# Allegro board 6089-119-RevA_41.brd (continued)
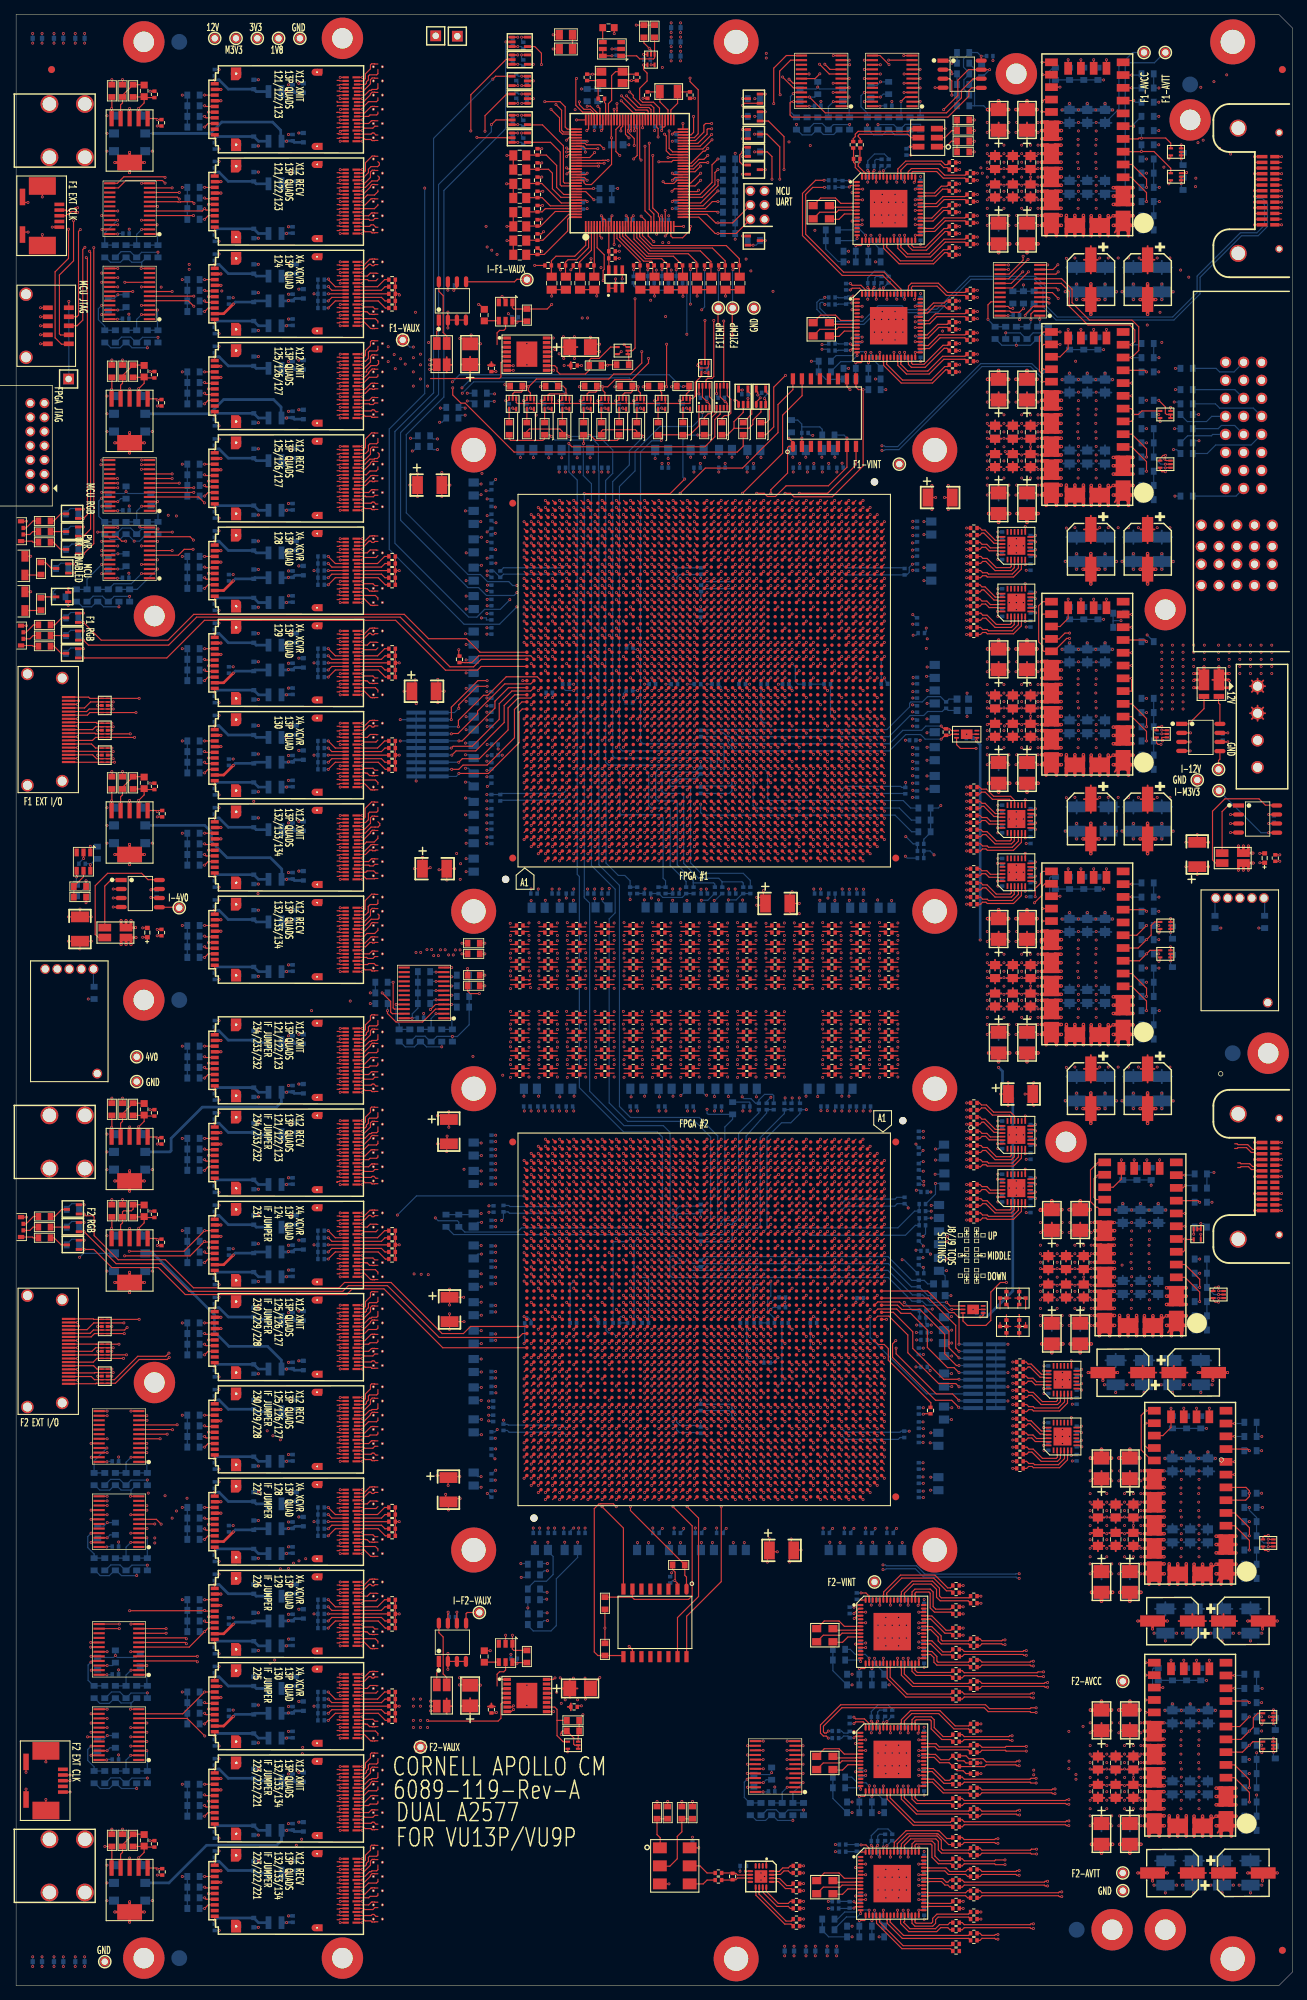
[diagram p0: board, top side]
## Footprints (pads in the part's own frame, mm; a bottom-side part is the same pattern mirrored in y, then rotated)
ATCA_COVER_BLOCK
  round 5.842 hole 2.896: 1(2.5,0)
  round 2.235 smd: 2(-2.5,0)
CAP_JUMPER_DP3T
  rect 0.508x0.61 smd: 1(0,0.9) 2(-0.9,0.9) 3(0,1.8) 4(0.9,0.9) 5(0,-0.9) 6(-0.9,-0.9) 7(0,-1.8) 8(0.9,-0.9)
CAP_PANASONIC_C6
  rect 3.505x1.6 smd: 1(-2.8,0) 2(2.8,0)
CAPC_EIA0402
  rect 0.508x0.61 smd: 1(-0.45,0) 2(0.45,0)
CAPC_EIA0603
  rect 0.965x1.016 smd: 1(-0.813,0) 2(0.813,0)
CAPC_EIA0805
  rect 1.143x1.448 smd: 1(-0.914,0) 2(0.914,0)
CAPC_EIA1210
  rect 1.524x2.54 smd: 1(-1.714,0) 2(1.714,0)
CAPTANT_0603_P1
  rect 0.61x0.7 smd: 1(-0.66,0) 2(0.66,0)
CAPTANT_3528_P1
  rect 1.829x2.235 smd: 1(-1.46,0) 2(1.46,0)
CON_2X7_2MM_RA_XILINX
  round 1.397 hole 0.889: 1(1,-6) 2(-1,-6) 3(1,-4) 4(-1,-4) 5(1,-2) 6(-1,-2) 7(1,0) 8(-1,0) 9(1,2) 10(-1,2) 11(1,4) 12(-1,4) 13(1,6) 14(-1,6)
CONN_10PIN_FSH
  round 1.905 hole 1.397: (0,4.445) (0,-4.445)
  rect 1.397x0.66 smd: 1(3.073,2.54) 2(6.035,2.54) 3(3.073,1.27) 4(6.035,1.27) 5(3.073,0) 6(6.035,0) 7(3.073,-1.27) 8(6.035,-1.27) 9(3.073,-2.54) 10(6.035,-2.54)
CONN_FTM_20
  rect 2.755x0.56 smd: 1(-1.608,4.5) 2(1.608,4.5) 3(-1.608,3.5) 4(1.608,3.5) 5(-1.608,2.5) 6(1.608,2.5) 7(-1.608,1.5) 8(1.608,1.5) 9(-1.608,0.5) 10(1.608,0.5) 11(-1.608,-0.5) 12(1.608,-0.5) 13(-1.608,-1.5) 14(1.608,-1.5) 15(-1.608,-2.5) 16(1.608,-2.5) 17(-1.608,-3.5) 18(1.608,-3.5) 19(-1.608,-4.5) 20(1.608,-4.5)
CONN_HDMI19_SS_53000_001
  rect 1.905x0.305 smd: 1(-0.902,4.572) 2(-0.902,4.064) 3(-0.902,3.556) 4(-0.902,3.048) 5(-0.902,2.54) 6(-0.902,2.032) 7(-0.902,1.524) 8(-0.902,1.016) 9(-0.902,0.508) 10(-0.902,0) 11(-0.902,-0.508) 12(-0.902,-1.016) 13(-0.902,-1.524) 14(-0.902,-2.032) 15(-0.902,-2.54) 16(-0.902,-3.048) 17(-0.902,-3.556) 18(-0.902,-4.064) 19(-0.902,-4.572)
  round 1.778 hole 1.27: 20(4.902,7.849) 21(0,7.264) 22(0,-7.264) 23(4.902,-7.849)
CONN_SAMTEC_UEC5_UCC8
  custom 1x1.57 hole 0.762: (-5.225,14.435) (5.225,14.435)
  round 0.001 hole 0.89 unplated: (-4.725,16.11) (-4.725,1.56) (4.725,16.51) (4.725,1.56)
  rect 0.5x1.14 smd: 1(-3.6,0) 2(-2.8,0) 3(-2,0) 4(-1.2,0) 5(-0.4,0) 6(0.4,0) 7(1.2,0) 8(2,0) 9(2.8,0) 10(3.6,0)
  rect 0.305x1.092 smd: A1(-4.5,19.96) A4(-3,19.96) A7(-1.5,19.96) A10(0,19.96) A13(1.5,19.96) A16(3,19.96) A19(4.5,19.96)
  rect 0.305x0.889 smd: A2(-4,20.06) A3(-3.5,20.06) A5(-2.5,20.06) A6(-2,20.06) A8(-1,20.06) A9(-0.5,20.06) A11(0.5,20.06) A12(1,20.06) A14(2,20.06) A15(2.5,20.06) A17(3.5,20.06) A18(4,20.06) B1(-4.5,18.46) B2(-4,18.46) B3(-3.5,18.46) B4(-3,18.46) B5(-2.5,18.46) B6(-2,18.46) B7(-1.5,18.46) B8(-1,18.46) B9(-0.5,18.46) B10(0,18.46) B11(0.5,18.46) B12(1,18.46) B13(1.5,18.46) B14(2,18.46) B15(2.5,18.46) B16(3,18.46) B17(3.5,18.46) B18(4,18.46) B19(4.5,18.46)
  custom 1.82x1.47 hole 1.168: G1(-5,3.01)
  custom 1.81x1.42 hole 1.168: G2(5,3.01)
CONN_USB_MINI_B_UX60SC_MB_5ST
  rect 1.397x0.508 smd: 1(-6.1,-1.6) 2(-6.1,-0.8) 3(-6.1,0) 4(-6.1,0.8) 5(-6.1,1.6)
  rect 3.81x2.489 smd: 6(-3.7,-4.2) 7(-3.7,4.2)
  rect 0.787x2.337 smd: 8(-0.9,-2.65) 9(-0.9,2.65)
CRYSTAL_CX3225SB
  rect 1.295x1.041 smd: 1(-1.15,-0.93) 2(1.15,-0.93) 3(1.15,0.93) 4(-1.15,0.93)
CRYSTAL_ECS_3P2X1P5
  rect 1.092x1.905 smd: 1(-1.25,0) 2(1.25,0)
CRYSTAL_ECS_4P0X2P5
  rect 1.397x1.143 smd: 1(-1.5,-0.8) 2(1.5,-0.8) 3(1.5,0.8) 4(-1.5,0.8)
ERM8-013-01-S-D-RA
  round 0 hole 1.45 unplated: (-17.65,4) (0,4)
  rect 0.5x1.3 smd: 1(-13.625,5.16) 3(-12.825,5.16) 5(-12.025,5.16) 7(-11.225,5.16) 9(-10.425,5.16) 11(-9.625,5.16) 13(-8.825,5.16) 15(-8.025,5.16) 17(-7.225,5.16) 19(-6.425,5.16) 21(-5.625,5.16) 23(-4.825,5.16) 25(-4.025,5.16)
  rect 0.5x1.52 smd: 2(-13.625,3.37) 4(-12.825,3.37) 6(-12.025,3.37) 8(-11.225,3.37) 10(-10.425,3.37) 12(-9.625,3.37) 14(-8.825,3.37) 16(-8.025,3.37) 18(-7.225,3.37) 20(-6.425,3.37) 22(-5.625,3.37) 24(-4.825,3.37) 26(-4.025,3.37)
  round 1.1 hole 0.7: G1(-17.025,5.78) G3(-0.625,5.78)
  round 2.41 hole 1.91: G2(-17.65,0) G4(0,0)
ET60T-02-24-00-X-RT1-GP
  round 0 hole 3.2 unplated: (0,0) (42.76,0)
  round 1.6 hole 1.02: 1(19.17,-3.5) 2(21.71,-3.5) 3(24.25,-3.5) 4(26.79,-3.5) 5(29.33,-3.5) 6(31.87,-3.5) 7(34.41,-3.5) 8(36.95,-3.5) 9(19.17,-0.96) 10(21.71,-0.96) 11(24.25,-0.96) 12(26.79,-0.96) 13(29.33,-0.96) 14(31.87,-0.96) 15(34.41,-0.96) 16(36.95,-0.96) 17(19.17,1.58) 18(21.71,1.58) 19(24.25,1.58) 20(26.79,1.58) 21(29.33,1.58) 22(31.87,1.58) 23(34.41,1.58) 24(36.95,1.58) P1-1(5.5,-5) P1-2(8.5,-5) P1-3(5.5,-2.5) P1-4(8.5,-2.5) P1-5(5.5,0) P1-6(8.5,0) P1-7(5.5,2.5) P1-8(8.5,2.5) P1-9(5.5,5) P1-10(8.5,5) P2-1(11,-5) P2-2(14,-5) P2-3(11,-2.5) P2-4(14,-2.5) P2-5(11,0) P2-6(14,0) P2-7(11,2.5) P2-8(14,2.5) P2-9(11,5) P2-10(14,5)
FPGA_A2577
  round 6.35 hole 3.404: (-32.5,32.5) (-32.5,-32.5) (32.5,32.5) (32.5,-32.5)
  round 1.041 hole 1.041 unplated: (-28,28) (28,-24)
  round 0.991 smd: (-25,27) (-25,-27) (25,27)
  round 0.5 smd: A4(-22,25) A5(-21,25) A6(-20,25) A7(-19,25) A8(-18,25) A9(-17,25) A10(-16,25) A11(-15,25) A12(-14,25) A13(-13,25) A14(-12,25) A15(-11,25) A16(-10,25) A17(-9,25) A18(-8,25) A19(-7,25) A20(-6,25) A21(-5,25) A22(-4,25) A23(-3,25) A24(-2,25) A25(-1,25) A26(0,25) A27(1,25) A28(2,25) A29(3,25) A30(4,25) A31(5,25) A32(6,25) A33(7,25) A34(8,25) A35(9,25) A36(10,25) A37(11,25) A38(12,25) A39(13,25) A40(14,25) A41(15,25) A42(16,25) A43(17,25) A44(18,25) A45(19,25) A46(20,25) A47(21,25) A48(22,25) AA1(-25,5) AA2(-24,5) AA3(-23,5) AA4(-22,5) AA5(-21,5) AA6(-20,5) AA7(-19,5) AA8(-18,5) AA9(-17,5) AA10(-16,5) AA11(-15,5) AA12(-14,5) AA13(-13,5) AA14(-12,5) AA15(-11,5) AA16(-10,5) AA17(-9,5) AA18(-8,5) AA19(-7,5) AA20(-6,5) AA21(-5,5) AA22(-4,5) AA23(-3,5) AA24(-2,5) AA25(-1,5) AA26(0,5) AA27(1,5) AA28(2,5) AA29(3,5) AA30(4,5) AA31(5,5) AA32(6,5) AA33(7,5) AA34(8,5) AA35(9,5) AA36(10,5) AA37(11,5) AA38(12,5) AA39(13,5) AA40(14,5) AA41(15,5) AA42(16,5) AA43(17,5) AA44(18,5) AA45(19,5) AA46(20,5) AA47(21,5) AA48(22,5) AA49(23,5) AA50(24,5) AA51(25,5) AB1(-25,4) AB2(-24,4) AB3(-23,4) AB4(-22,4) AB5(-21,4) AB6(-20,4) AB7(-19,4) AB8(-18,4) AB9(-17,4) AB10(-16,4) AB11(-15,4) AB12(-14,4) AB13(-13,4) AB14(-12,4) AB15(-11,4) AB16(-10,4) AB17(-9,4) AB18(-8,4) AB19(-7,4) AB20(-6,4) AB21(-5,4) AB22(-4,4) AB23(-3,4) AB24(-2,4) AB25(-1,4) AB26(0,4) AB27(1,4) AB28(2,4) AB29(3,4) AB30(4,4) AB31(5,4) AB32(6,4) AB33(7,4) AB34(8,4) AB35(9,4) AB36(10,4) AB37(11,4) AB38(12,4) AB39(13,4) AB40(14,4) AB41(15,4) AB42(16,4) AB43(17,4) AB44(18,4) AB45(19,4) AB46(20,4) AB47(21,4) AB48(22,4) AB49(23,4) AB50(24,4) AB51(25,4) AC1(-25,3) AC2(-24,3) AC3(-23,3) AC4(-22,3) AC5(-21,3) AC6(-20,3) AC7(-19,3) AC8(-18,3) AC9(-17,3) AC10(-16,3) AC11(-15,3) AC12(-14,3) AC13(-13,3) AC14(-12,3) AC15(-11,3) AC16(-10,3) AC17(-9,3) AC18(-8,3) AC19(-7,3) AC20(-6,3) AC21(-5,3) AC22(-4,3) AC23(-3,3) AC24(-2,3) AC25(-1,3) AC26(0,3) AC27(1,3) AC28(2,3) AC29(3,3) AC30(4,3) AC31(5,3) AC32(6,3) AC33(7,3) AC34(8,3) AC35(9,3) AC36(10,3) AC37(11,3) AC38(12,3) AC39(13,3) AC40(14,3) AC41(15,3) AC42(16,3) AC43(17,3) AC44(18,3) AC45(19,3) AC46(20,3) AC47(21,3) AC48(22,3) AC49(23,3) AC50(24,3) AC51(25,3) AD1(-25,2) AD2(-24,2) AD3(-23,2) AD4(-22,2) AD5(-21,2) AD6(-20,2) AD7(-19,2) AD8(-18,2) AD9(-17,2) AD10(-16,2) AD11(-15,2) AD12(-14,2) AD13(-13,2) AD14(-12,2) AD15(-11,2) AD16(-10,2) AD17(-9,2) AD18(-8,2) AD19(-7,2) AD20(-6,2) AD21(-5,2) AD22(-4,2) AD23(-3,2) AD24(-2,2) AD25(-1,2) AD26(0,2) AD27(1,2) AD28(2,2) AD29(3,2) AD30(4,2) AD31(5,2) AD32(6,2) AD33(7,2) AD34(8,2) AD35(9,2) AD36(10,2) AD37(11,2) AD38(12,2) AD39(13,2) AD40(14,2) AD41(15,2) AD42(16,2) AD43(17,2) AD44(18,2) AD45(19,2) AD46(20,2) AD47(21,2) AD48(22,2) AD49(23,2) AD50(24,2) AD51(25,2) AE1(-25,1) AE2(-24,1) AE3(-23,1) AE4(-22,1) AE5(-21,1) AE6(-20,1) AE7(-19,1) AE8(-18,1) AE9(-17,1) AE10(-16,1) AE11(-15,1) AE12(-14,1) AE13(-13,1) AE14(-12,1) AE15(-11,1) AE16(-10,1) AE17(-9,1) AE18(-8,1) AE19(-7,1) AE20(-6,1) AE21(-5,1) AE22(-4,1) AE23(-3,1) AE24(-2,1) AE25(-1,1) AE26(0,1) AE27(1,1) AE28(2,1) AE29(3,1) AE30(4,1) AE31(5,1) AE32(6,1) AE33(7,1) AE34(8,1) AE35(9,1) AE36(10,1) AE37(11,1) AE38(12,1) AE39(13,1) AE40(14,1) AE41(15,1) AE42(16,1) AE43(17,1) AE44(18,1) AE45(19,1) AE46(20,1) AE47(21,1) AE48(22,1) AE49(23,1) AE50(24,1) AE51(25,1) AF1(-25,0) AF2(-24,0) AF3(-23,0) AF4(-22,0) AF5(-21,0) AF6(-20,0) AF7(-19,0) AF8(-18,0) AF9(-17,0) AF10(-16,0) AF11(-15,0) AF12(-14,0) AF13(-13,0) AF14(-12,0) AF15(-11,0) AF16(-10,0) AF17(-9,0) AF18(-8,0) AF19(-7,0) AF20(-6,0) AF21(-5,0) AF22(-4,0) AF23(-3,0) AF24(-2,0) AF25(-1,0) AF26(0,0) AF27(1,0) AF28(2,0) AF29(3,0) AF30(4,0) AF31(5,0) AF32(6,0) AF33(7,0) AF34(8,0) AF35(9,0) AF36(10,0) AF37(11,0) AF38(12,0) AF39(13,0) AF40(14,0) AF41(15,0) AF42(16,0) AF43(17,0) AF44(18,0) AF45(19,0) AF46(20,0) AF47(21,0) AF48(22,0) AF49(23,0) AF50(24,0) AF51(25,0) AG1(-25,-1) AG2(-24,-1) AG3(-23,-1) AG4(-22,-1) AG5(-21,-1) AG6(-20,-1) AG7(-19,-1) AG8(-18,-1) AG9(-17,-1) AG10(-16,-1) AG11(-15,-1) AG12(-14,-1) AG13(-13,-1) AG14(-12,-1) AG15(-11,-1) AG16(-10,-1) AG17(-9,-1) AG18(-8,-1) AG19(-7,-1) AG20(-6,-1) AG21(-5,-1) AG22(-4,-1) AG23(-3,-1) AG24(-2,-1) AG25(-1,-1) AG26(0,-1) AG27(1,-1) AG28(2,-1) AG29(3,-1) AG30(4,-1) AG31(5,-1) AG32(6,-1) AG33(7,-1) AG34(8,-1) AG35(9,-1) AG36(10,-1) AG37(11,-1) AG38(12,-1) AG39(13,-1) AG40(14,-1) AG41(15,-1) AG42(16,-1) AG43(17,-1) AG44(18,-1) AG45(19,-1) AG46(20,-1) AG47(21,-1) AG48(22,-1) AG49(23,-1) AG50(24,-1) AG51(25,-1) AH1(-25,-2) AH2(-24,-2) AH3(-23,-2) AH4(-22,-2) AH5(-21,-2) AH6(-20,-2) AH7(-19,-2) AH8(-18,-2) AH9(-17,-2) AH10(-16,-2) AH11(-15,-2) AH12(-14,-2) AH13(-13,-2) AH14(-12,-2) AH15(-11,-2) AH16(-10,-2) AH17(-9,-2) AH18(-8,-2) AH19(-7,-2) AH20(-6,-2) AH21(-5,-2) AH22(-4,-2) AH23(-3,-2) AH24(-2,-2) AH25(-1,-2) AH26(0,-2) AH27(1,-2) AH28(2,-2) AH29(3,-2) AH30(4,-2) AH31(5,-2) AH32(6,-2) AH33(7,-2) AH34(8,-2) AH35(9,-2) AH36(10,-2) AH37(11,-2) AH38(12,-2) AH39(13,-2) AH40(14,-2) AH41(15,-2) AH42(16,-2) AH43(17,-2) AH44(18,-2) AH45(19,-2) AH46(20,-2) AH47(21,-2) AH48(22,-2) AH49(23,-2) AH50(24,-2) AH51(25,-2) AJ1(-25,-3) AJ2(-24,-3) AJ3(-23,-3) AJ4(-22,-3) AJ5(-21,-3) AJ6(-20,-3) AJ7(-19,-3) AJ8(-18,-3) AJ9(-17,-3) AJ10(-16,-3) AJ11(-15,-3) AJ12(-14,-3) AJ13(-13,-3) AJ14(-12,-3) AJ15(-11,-3) AJ16(-10,-3) AJ17(-9,-3) AJ18(-8,-3) AJ19(-7,-3) AJ20(-6,-3) AJ21(-5,-3) AJ22(-4,-3) AJ23(-3,-3) AJ24(-2,-3) AJ25(-1,-3) AJ26(0,-3) AJ27(1,-3) AJ28(2,-3) AJ29(3,-3) AJ30(4,-3) AJ31(5,-3) AJ32(6,-3) AJ33(7,-3) AJ34(8,-3) AJ35(9,-3) AJ36(10,-3) AJ37(11,-3) AJ38(12,-3) AJ39(13,-3) AJ40(14,-3) AJ41(15,-3) AJ42(16,-3) AJ43(17,-3) AJ44(18,-3) AJ45(19,-3) AJ46(20,-3) AJ47(21,-3) AJ48(22,-3) AJ49(23,-3) AJ50(24,-3) AJ51(25,-3) AK1(-25,-4) AK2(-24,-4) AK3(-23,-4) AK4(-22,-4) AK5(-21,-4) AK6(-20,-4) AK7(-19,-4) AK8(-18,-4) AK9(-17,-4) AK10(-16,-4) AK11(-15,-4) AK12(-14,-4) AK13(-13,-4) AK14(-12,-4) AK15(-11,-4) AK16(-10,-4) AK17(-9,-4) AK18(-8,-4) AK19(-7,-4) AK20(-6,-4) AK21(-5,-4) AK22(-4,-4) AK23(-3,-4) AK24(-2,-4) AK25(-1,-4) AK26(0,-4) AK27(1,-4) AK28(2,-4) AK29(3,-4) AK30(4,-4) AK31(5,-4) AK32(6,-4) AK33(7,-4) AK34(8,-4) AK35(9,-4) AK36(10,-4) AK37(11,-4) AK38(12,-4) AK39(13,-4) AK40(14,-4) AK41(15,-4) AK42(16,-4) AK43(17,-4) AK44(18,-4) AK45(19,-4) AK46(20,-4) AK47(21,-4) AK48(22,-4) AK49(23,-4) AK50(24,-4) AK51(25,-4) AL1(-25,-5) AL2(-24,-5) AL3(-23,-5) AL4(-22,-5) AL5(-21,-5) AL6(-20,-5) AL7(-19,-5) AL8(-18,-5) AL9(-17,-5) AL10(-16,-5) AL11(-15,-5) AL12(-14,-5) AL13(-13,-5) AL14(-12,-5) AL15(-11,-5) AL16(-10,-5) AL17(-9,-5) AL18(-8,-5) AL19(-7,-5) AL20(-6,-5) AL21(-5,-5) AL22(-4,-5) AL23(-3,-5) AL24(-2,-5) AL25(-1,-5) AL26(0,-5) AL27(1,-5) AL28(2,-5) AL29(3,-5) AL30(4,-5) AL31(5,-5) AL32(6,-5) AL33(7,-5) AL34(8,-5) AL35(9,-5) AL36(10,-5) AL37(11,-5) AL38(12,-5) AL39(13,-5) AL40(14,-5) AL41(15,-5) AL42(16,-5) AL43(17,-5) AL44(18,-5) AL45(19,-5) AL46(20,-5) AL47(21,-5) AL48(22,-5) AL49(23,-5) AL50(24,-5) AL51(25,-5) AM1(-25,-6) AM2(-24,-6) AM3(-23,-6) AM4(-22,-6) AM5(-21,-6) AM6(-20,-6) AM7(-19,-6) AM8(-18,-6) AM9(-17,-6) AM10(-16,-6) AM11(-15,-6) AM12(-14,-6) AM13(-13,-6) AM14(-12,-6) AM15(-11,-6) AM16(-10,-6) AM17(-9,-6) AM18(-8,-6) AM19(-7,-6) AM20(-6,-6) AM21(-5,-6) AM22(-4,-6) AM23(-3,-6) AM24(-2,-6) AM25(-1,-6) AM26(0,-6) AM27(1,-6) AM28(2,-6) AM29(3,-6) AM30(4,-6) AM31(5,-6) AM32(6,-6) AM33(7,-6) AM34(8,-6) AM35(9,-6) AM36(10,-6) AM37(11,-6) AM38(12,-6) AM39(13,-6) AM40(14,-6) AM41(15,-6) AM42(16,-6) AM43(17,-6) AM44(18,-6) AM45(19,-6) AM46(20,-6) AM47(21,-6) AM48(22,-6) AM49(23,-6) AM50(24,-6) AM51(25,-6) AN1(-25,-7) AN2(-24,-7) AN3(-23,-7) AN4(-22,-7) AN5(-21,-7) AN6(-20,-7) AN7(-19,-7) AN8(-18,-7) AN9(-17,-7) AN10(-16,-7) AN11(-15,-7) AN12(-14,-7) AN13(-13,-7) AN14(-12,-7) AN15(-11,-7) AN16(-10,-7) AN17(-9,-7) AN18(-8,-7) AN19(-7,-7) AN20(-6,-7) AN21(-5,-7) AN22(-4,-7) AN23(-3,-7) AN24(-2,-7) AN25(-1,-7) AN26(0,-7) AN27(1,-7) AN28(2,-7) AN29(3,-7) AN30(4,-7) AN31(5,-7) AN32(6,-7) AN33(7,-7) AN34(8,-7) AN35(9,-7) AN36(10,-7) AN37(11,-7) AN38(12,-7) AN39(13,-7) AN40(14,-7) AN41(15,-7) AN42(16,-7) AN43(17,-7) AN44(18,-7) AN45(19,-7) AN46(20,-7) AN47(21,-7) AN48(22,-7) AN49(23,-7) AN50(24,-7) AN51(25,-7) AP1(-25,-8) AP2(-24,-8) AP3(-23,-8) AP4(-22,-8) AP5(-21,-8) AP6(-20,-8) AP7(-19,-8) AP8(-18,-8) AP9(-17,-8) AP10(-16,-8) AP11(-15,-8) AP12(-14,-8) AP13(-13,-8) AP14(-12,-8) AP15(-11,-8) AP16(-10,-8) AP17(-9,-8) AP18(-8,-8) AP19(-7,-8) AP20(-6,-8) AP21(-5,-8) AP22(-4,-8) AP23(-3,-8) AP24(-2,-8) AP25(-1,-8) AP26(0,-8) AP27(1,-8) AP28(2,-8) AP29(3,-8) AP30(4,-8) AP31(5,-8) AP32(6,-8) AP33(7,-8) AP34(8,-8) AP35(9,-8) AP36(10,-8) AP37(11,-8) AP38(12,-8) AP39(13,-8) AP40(14,-8) AP41(15,-8) AP42(16,-8) AP43(17,-8) AP44(18,-8) AP45(19,-8) AP46(20,-8) AP47(21,-8) AP48(22,-8) AP49(23,-8) AP50(24,-8) AP51(25,-8) AR1(-25,-9) AR2(-24,-9) AR3(-23,-9) AR4(-22,-9) AR5(-21,-9) AR6(-20,-9) AR7(-19,-9) AR8(-18,-9) AR9(-17,-9) AR10(-16,-9) AR11(-15,-9) AR12(-14,-9) AR13(-13,-9) AR14(-12,-9) AR15(-11,-9) AR16(-10,-9) AR17(-9,-9) AR18(-8,-9) AR19(-7,-9) AR20(-6,-9) AR21(-5,-9) AR22(-4,-9) AR23(-3,-9) AR24(-2,-9) AR25(-1,-9) AR26(0,-9) AR27(1,-9) AR28(2,-9) AR29(3,-9) AR30(4,-9) AR31(5,-9) AR32(6,-9) AR33(7,-9) AR34(8,-9) AR35(9,-9) AR36(10,-9) AR37(11,-9) AR38(12,-9) AR39(13,-9) AR40(14,-9) AR41(15,-9) AR42(16,-9) AR43(17,-9) AR44(18,-9) AR45(19,-9) AR46(20,-9) AR47(21,-9) AR48(22,-9) AR49(23,-9) AR50(24,-9) AR51(25,-9) AT1(-25,-10) AT2(-24,-10) AT3(-23,-10) AT4(-22,-10) AT5(-21,-10) AT6(-20,-10) AT7(-19,-10) AT8(-18,-10) AT9(-17,-10) AT10(-16,-10) AT11(-15,-10) AT12(-14,-10) AT13(-13,-10) AT14(-12,-10) AT15(-11,-10) AT16(-10,-10) AT17(-9,-10) AT18(-8,-10) AT19(-7,-10) AT20(-6,-10) AT21(-5,-10) AT22(-4,-10) AT23(-3,-10) AT24(-2,-10) AT25(-1,-10) AT26(0,-10) AT27(1,-10) AT28(2,-10) AT29(3,-10) AT30(4,-10) AT31(5,-10) AT32(6,-10) AT33(7,-10) AT34(8,-10) AT35(9,-10) AT36(10,-10) AT37(11,-10) AT38(12,-10) AT39(13,-10) AT40(14,-10) AT41(15,-10) AT42(16,-10) AT43(17,-10) AT44(18,-10) AT45(19,-10) AT46(20,-10) AT47(21,-10) AT48(22,-10) AT49(23,-10) AT50(24,-10) AT51(25,-10) AU1(-25,-11) AU2(-24,-11) AU3(-23,-11) AU4(-22,-11) AU5(-21,-11) AU6(-20,-11) AU7(-19,-11) AU8(-18,-11) AU9(-17,-11) AU10(-16,-11) AU11(-15,-11) AU12(-14,-11) AU13(-13,-11) AU14(-12,-11) AU15(-11,-11) AU16(-10,-11) AU17(-9,-11) AU18(-8,-11) AU19(-7,-11) AU20(-6,-11) AU21(-5,-11) AU22(-4,-11) AU23(-3,-11) AU24(-2,-11) AU25(-1,-11) AU26(0,-11) AU27(1,-11) AU28(2,-11) AU29(3,-11) AU30(4,-11) AU31(5,-11) AU32(6,-11) AU33(7,-11) AU34(8,-11) AU35(9,-11) AU36(10,-11) AU37(11,-11) AU38(12,-11) AU39(13,-11) AU40(14,-11) AU41(15,-11) AU42(16,-11) AU43(17,-11) AU44(18,-11) AU45(19,-11) AU46(20,-11) AU47(21,-11) AU48(22,-11) AU49(23,-11) AU50(24,-11) AU51(25,-11) AV1(-25,-12) AV2(-24,-12) AV3(-23,-12) AV4(-22,-12) AV5(-21,-12) AV6(-20,-12) AV7(-19,-12) AV8(-18,-12) AV9(-17,-12) AV10(-16,-12) AV11(-15,-12) AV12(-14,-12) AV13(-13,-12) AV14(-12,-12) AV15(-11,-12) AV16(-10,-12) AV17(-9,-12) AV18(-8,-12) AV19(-7,-12) AV20(-6,-12) AV21(-5,-12) AV22(-4,-12) AV23(-3,-12) AV24(-2,-12) AV25(-1,-12) AV26(0,-12) AV27(1,-12) AV28(2,-12) AV29(3,-12) AV30(4,-12) AV31(5,-12) AV32(6,-12) AV33(7,-12) AV34(8,-12) AV35(9,-12) AV36(10,-12) AV37(11,-12) AV38(12,-12) AV39(13,-12) AV40(14,-12) AV41(15,-12) AV42(16,-12) AV43(17,-12) AV44(18,-12) AV45(19,-12) AV46(20,-12) AV47(21,-12) AV48(22,-12) AV49(23,-12) AV50(24,-12) AV51(25,-12) AW1(-25,-13) AW2(-24,-13) AW3(-23,-13) AW4(-22,-13) AW5(-21,-13) AW6(-20,-13) AW7(-19,-13) AW8(-18,-13) AW9(-17,-13) AW10(-16,-13) AW11(-15,-13) AW12(-14,-13) AW13(-13,-13) AW14(-12,-13) AW15(-11,-13) AW16(-10,-13) AW17(-9,-13) AW18(-8,-13) AW19(-7,-13) AW20(-6,-13) AW21(-5,-13) AW22(-4,-13) AW23(-3,-13) AW24(-2,-13) AW25(-1,-13) AW26(0,-13) AW27(1,-13) AW28(2,-13) AW29(3,-13) AW30(4,-13) AW31(5,-13) AW32(6,-13) AW33(7,-13) AW34(8,-13) AW35(9,-13) AW36(10,-13) AW37(11,-13) AW38(12,-13) AW39(13,-13) AW40(14,-13) AW41(15,-13) AW42(16,-13) AW43(17,-13) AW44(18,-13) AW45(19,-13) AW46(20,-13) AW47(21,-13) AW48(22,-13) AW49(23,-13) AW50(24,-13) AW51(25,-13) AY1(-25,-14) AY2(-24,-14) AY3(-23,-14) AY4(-22,-14) AY5(-21,-14) AY6(-20,-14) AY7(-19,-14) AY8(-18,-14) AY9(-17,-14) AY10(-16,-14) AY11(-15,-14) AY12(-14,-14) AY13(-13,-14) AY14(-12,-14) AY15(-11,-14) AY16(-10,-14) AY17(-9,-14) AY18(-8,-14) AY19(-7,-14) AY20(-6,-14) AY21(-5,-14) AY22(-4,-14) AY23(-3,-14) AY24(-2,-14) AY25(-1,-14) AY26(0,-14) AY27(1,-14) AY28(2,-14) AY29(3,-14) AY30(4,-14) AY31(5,-14) AY32(6,-14) AY33(7,-14) AY34(8,-14) AY35(9,-14) AY36(10,-14) AY37(11,-14) AY38(12,-14) AY39(13,-14) AY40(14,-14) AY41(15,-14) AY42(16,-14) AY43(17,-14) AY44(18,-14) AY45(19,-14) AY46(20,-14) AY47(21,-14) AY48(22,-14) AY49(23,-14) AY50(24,-14) AY51(25,-14) B3(-23,24) B4(-22,24) B5(-21,24) B6(-20,24) B7(-19,24) B8(-18,24) B9(-17,24) B10(-16,24) B11(-15,24) B12(-14,24) B13(-13,24) B14(-12,24) B15(-11,24) B16(-10,24) B17(-9,24) B18(-8,24) B19(-7,24) B20(-6,24) B21(-5,24) B22(-4,24) B23(-3,24) B24(-2,24) B25(-1,24) B26(0,24) B27(1,24) B28(2,24) B29(3,24) B30(4,24) B31(5,24) B32(6,24) B33(7,24) B34(8,24) B35(9,24) B36(10,24) B37(11,24) B38(12,24) B39(13,24) B40(14,24) B41(15,24) B42(16,24) B43(17,24) B44(18,24) B45(19,24) B46(20,24) B47(21,24) B48(22,24) B49(23,24) BA1(-25,-15) BA2(-24,-15) BA3(-23,-15) BA4(-22,-15) BA5(-21,-15) BA6(-20,-15) BA7(-19,-15) BA8(-18,-15) BA9(-17,-15) BA10(-16,-15) BA11(-15,-15) BA12(-14,-15) BA13(-13,-15) BA14(-12,-15) BA15(-11,-15) BA16(-10,-15) BA17(-9,-15) BA18(-8,-15) BA19(-7,-15) BA20(-6,-15) BA21(-5,-15) BA22(-4,-15) BA23(-3,-15) BA24(-2,-15) BA25(-1,-15) BA26(0,-15) BA27(1,-15) BA28(2,-15) BA29(3,-15) BA30(4,-15) BA31(5,-15) BA32(6,-15) BA33(7,-15) BA34(8,-15) BA35(9,-15) BA36(10,-15) BA37(11,-15) BA38(12,-15) BA39(13,-15) BA40(14,-15) BA41(15,-15) BA42(16,-15) BA43(17,-15) BA44(18,-15) BA45(19,-15) BA46(20,-15) BA47(21,-15) BA48(22,-15) BA49(23,-15) BA50(24,-15) BA51(25,-15) BB1(-25,-16) BB2(-24,-16) BB3(-23,-16) BB4(-22,-16) BB5(-21,-16) BB6(-20,-16) BB7(-19,-16) BB8(-18,-16) BB9(-17,-16) BB10(-16,-16) BB11(-15,-16) BB12(-14,-16) BB13(-13,-16) BB14(-12,-16) BB15(-11,-16) BB16(-10,-16) BB17(-9,-16) BB18(-8,-16) BB19(-7,-16) BB20(-6,-16) BB21(-5,-16) BB22(-4,-16) BB23(-3,-16) BB24(-2,-16) BB25(-1,-16) BB26(0,-16) BB27(1,-16) BB28(2,-16) BB29(3,-16) BB30(4,-16) BB31(5,-16) BB32(6,-16) BB33(7,-16) BB34(8,-16) BB35(9,-16) BB36(10,-16) BB37(11,-16) BB38(12,-16) BB39(13,-16) BB40(14,-16) BB41(15,-16) BB42(16,-16) BB43(17,-16) BB44(18,-16) BB45(19,-16) BB46(20,-16) BB47(21,-16) BB48(22,-16) BB49(23,-16) BB50(24,-16) BB51(25,-16) BC1(-25,-17) BC2(-24,-17) BC3(-23,-17) BC4(-22,-17) BC5(-21,-17) BC6(-20,-17) BC7(-19,-17) BC8(-18,-17) BC9(-17,-17) BC10(-16,-17) BC11(-15,-17) BC12(-14,-17) BC13(-13,-17) BC14(-12,-17) BC15(-11,-17) BC16(-10,-17) BC17(-9,-17) BC18(-8,-17) BC19(-7,-17) BC20(-6,-17) BC21(-5,-17) BC22(-4,-17) BC23(-3,-17) BC24(-2,-17) BC25(-1,-17) BC26(0,-17) BC27(1,-17) BC28(2,-17) BC29(3,-17) BC30(4,-17) BC31(5,-17) BC32(6,-17) BC33(7,-17) BC34(8,-17) BC35(9,-17) BC36(10,-17) BC37(11,-17) BC38(12,-17) BC39(13,-17) BC40(14,-17) BC41(15,-17) BC42(16,-17) BC43(17,-17) BC44(18,-17) BC45(19,-17) BC46(20,-17) BC47(21,-17) BC48(22,-17) BC49(23,-17) BC50(24,-17) BC51(25,-17) BD1(-25,-18) BD2(-24,-18) BD3(-23,-18) BD4(-22,-18) BD5(-21,-18) BD6(-20,-18) BD7(-19,-18) BD8(-18,-18) BD9(-17,-18) BD10(-16,-18) BD11(-15,-18) BD12(-14,-18) BD13(-13,-18) BD14(-12,-18) BD15(-11,-18) BD16(-10,-18) BD17(-9,-18) BD18(-8,-18) BD19(-7,-18) BD20(-6,-18) BD21(-5,-18) BD22(-4,-18) BD23(-3,-18) BD24(-2,-18) BD25(-1,-18) BD26(0,-18) BD27(1,-18) BD28(2,-18) BD29(3,-18) BD30(4,-18) BD31(5,-18) BD32(6,-18) BD33(7,-18) BD34(8,-18) BD35(9,-18) BD36(10,-18) BD37(11,-18) BD38(12,-18) BD39(13,-18) BD40(14,-18) BD41(15,-18) BD42(16,-18) BD43(17,-18) BD44(18,-18) BD45(19,-18) BD46(20,-18) BD47(21,-18) BD48(22,-18) BD49(23,-18) BD50(24,-18) BD51(25,-18) BE1(-25,-19) BE2(-24,-19) BE3(-23,-19) BE4(-22,-19) BE5(-21,-19) BE6(-20,-19) BE7(-19,-19) BE8(-18,-19) BE9(-17,-19) BE10(-16,-19) BE11(-15,-19) BE12(-14,-19) BE13(-13,-19) BE14(-12,-19) BE15(-11,-19) BE16(-10,-19) BE17(-9,-19) BE18(-8,-19) BE19(-7,-19) BE20(-6,-19) BE21(-5,-19) BE22(-4,-19) BE23(-3,-19) BE24(-2,-19) BE25(-1,-19) BE26(0,-19) BE27(1,-19) BE28(2,-19) BE29(3,-19) BE30(4,-19) BE31(5,-19) BE32(6,-19) BE33(7,-19) BE34(8,-19) BE35(9,-19) BE36(10,-19) BE37(11,-19) BE38(12,-19) BE39(13,-19) BE40(14,-19) BE41(15,-19) BE42(16,-19) BE43(17,-19) BE44(18,-19) BE45(19,-19) BE46(20,-19) BE47(21,-19) BE48(22,-19) BE49(23,-19) BE50(24,-19) BE51(25,-19) BF1(-25,-20) BF2(-24,-20) BF3(-23,-20) BF4(-22,-20) BF5(-21,-20) BF6(-20,-20) BF7(-19,-20) BF8(-18,-20) BF9(-17,-20) BF10(-16,-20) BF11(-15,-20) BF12(-14,-20) BF13(-13,-20) BF14(-12,-20) BF15(-11,-20) BF16(-10,-20) BF17(-9,-20) BF18(-8,-20) BF19(-7,-20) BF20(-6,-20) BF21(-5,-20) BF22(-4,-20) BF23(-3,-20) BF24(-2,-20) BF25(-1,-20) BF26(0,-20) BF27(1,-20) BF28(2,-20) BF29(3,-20) BF30(4,-20) BF31(5,-20) BF32(6,-20) BF33(7,-20) BF34(8,-20) BF35(9,-20) BF36(10,-20) BF37(11,-20) BF38(12,-20) BF39(13,-20) BF40(14,-20) BF41(15,-20) BF42(16,-20) BF43(17,-20) BF44(18,-20) BF45(19,-20) BF46(20,-20) BF47(21,-20) BF48(22,-20) BF49(23,-20) BF50(24,-20) BF51(25,-20) BG1(-25,-21) BG2(-24,-21) BG3(-23,-21) BG4(-22,-21) BG5(-21,-21) BG6(-20,-21) BG7(-19,-21) BG8(-18,-21) BG9(-17,-21) BG10(-16,-21) BG11(-15,-21) BG12(-14,-21) BG13(-13,-21) BG14(-12,-21) BG15(-11,-21) BG16(-10,-21) BG17(-9,-21) BG18(-8,-21) BG19(-7,-21) BG20(-6,-21) BG21(-5,-21) BG22(-4,-21) BG23(-3,-21) BG24(-2,-21) BG25(-1,-21) BG26(0,-21) BG27(1,-21) BG28(2,-21) BG29(3,-21) BG30(4,-21) BG31(5,-21) BG32(6,-21) BG33(7,-21) BG34(8,-21) BG35(9,-21) BG36(10,-21) BG37(11,-21) BG38(12,-21) BG39(13,-21) BG40(14,-21) BG41(15,-21) BG42(16,-21) BG43(17,-21) BG44(18,-21) BG45(19,-21) BG46(20,-21) BG47(21,-21) BG48(22,-21) BG49(23,-21) BG50(24,-21) BG51(25,-21) BH1(-25,-22) BH2(-24,-22) BH3(-23,-22) BH4(-22,-22) BH5(-21,-22) BH6(-20,-22) BH7(-19,-22) BH8(-18,-22) BH9(-17,-22) BH10(-16,-22) BH11(-15,-22) BH12(-14,-22) BH13(-13,-22) BH14(-12,-22) BH15(-11,-22) BH16(-10,-22) BH17(-9,-22) BH18(-8,-22) BH19(-7,-22) BH20(-6,-22) BH21(-5,-22) BH22(-4,-22) BH23(-3,-22) BH24(-2,-22) BH25(-1,-22) BH26(0,-22) BH27(1,-22) BH28(2,-22) BH29(3,-22) BH30(4,-22) BH31(5,-22) BH32(6,-22) BH33(7,-22) BH34(8,-22) BH35(9,-22) BH36(10,-22) BH37(11,-22) BH38(12,-22) BH39(13,-22) BH40(14,-22) BH41(15,-22) BH42(16,-22) BH43(17,-22) BH44(18,-22) BH45(19,-22) BH46(20,-22) BH47(21,-22) BH48(22,-22) BH49(23,-22) BH50(24,-22) BH51(25,-22) BJ2(-24,-23) BJ3(-23,-23) BJ4(-22,-23) BJ5(-21,-23) BJ6(-20,-23) BJ7(-19,-23) BJ8(-18,-23) BJ9(-17,-23) BJ10(-16,-23) BJ11(-15,-23) BJ12(-14,-23) BJ13(-13,-23) BJ14(-12,-23) BJ15(-11,-23) BJ16(-10,-23) BJ17(-9,-23) BJ18(-8,-23) BJ19(-7,-23) BJ20(-6,-23) BJ21(-5,-23) BJ22(-4,-23) BJ23(-3,-23) BJ24(-2,-23) BJ25(-1,-23) BJ26(0,-23) BJ27(1,-23) BJ28(2,-23) BJ29(3,-23) BJ30(4,-23) BJ31(5,-23) BJ32(6,-23) BJ33(7,-23) BJ34(8,-23) BJ35(9,-23) BJ36(10,-23) BJ37(11,-23) BJ38(12,-23) BJ39(13,-23) BJ40(14,-23) BJ41(15,-23) BJ42(16,-23) BJ43(17,-23) BJ44(18,-23) BJ45(19,-23) BJ46(20,-23) BJ47(21,-23) BJ48(22,-23) BJ49(23,-23) BJ50(24,-23) BK3(-23,-24) BK4(-22,-24) BK5(-21,-24) BK6(-20,-24) BK7(-19,-24) BK8(-18,-24) BK9(-17,-24) BK10(-16,-24) BK11(-15,-24) BK12(-14,-24) BK13(-13,-24) BK14(-12,-24) BK15(-11,-24) BK16(-10,-24) BK17(-9,-24) BK18(-8,-24) BK19(-7,-24) BK20(-6,-24) BK21(-5,-24) BK22(-4,-24) BK23(-3,-24) BK24(-2,-24) BK25(-1,-24) BK26(0,-24) BK27(1,-24) BK28(2,-24) BK29(3,-24) BK30(4,-24) BK31(5,-24) BK32(6,-24) BK33(7,-24) BK34(8,-24) BK35(9,-24) BK36(10,-24) BK37(11,-24) BK38(12,-24) BK39(13,-24) BK40(14,-24) BK41(15,-24) BK42(16,-24) BK43(17,-24) BK44(18,-24) BK45(19,-24) BK46(20,-24) BK47(21,-24) BK48(22,-24) BK49(23,-24) BL4(-22,-25) BL5(-21,-25) BL6(-20,-25) BL7(-19,-25) BL8(-18,-25) BL9(-17,-25) BL10(-16,-25) BL11(-15,-25) BL12(-14,-25) BL13(-13,-25) BL14(-12,-25) BL15(-11,-25) BL16(-10,-25) BL17(-9,-25) BL18(-8,-25) BL19(-7,-25) BL20(-6,-25) BL21(-5,-25) BL22(-4,-25) BL23(-3,-25) BL24(-2,-25) BL25(-1,-25) BL26(0,-25) BL27(1,-25) BL28(2,-25) BL29(3,-25) BL30(4,-25) BL31(5,-25) BL32(6,-25) BL33(7,-25) BL34(8,-25) BL35(9,-25) BL36(10,-25) BL37(11,-25) BL38(12,-25) BL39(13,-25) BL40(14,-25) BL41(15,-25) BL42(16,-25) BL43(17,-25) BL44(18,-25) BL45(19,-25) BL46(20,-25) BL47(21,-25) BL48(22,-25) C2(-24,23) C3(-23,23) C4(-22,23) C5(-21,23) C6(-20,23) C7(-19,23) C8(-18,23) C9(-17,23) C10(-16,23) C11(-15,23) C12(-14,23) C13(-13,23) C14(-12,23) C15(-11,23) C16(-10,23) C17(-9,23) C18(-8,23) C19(-7,23) C20(-6,23) C21(-5,23) C22(-4,23) C23(-3,23) C24(-2,23) C25(-1,23) C26(0,23) C27(1,23) C28(2,23) C29(3,23) C30(4,23) C31(5,23) C32(6,23) C33(7,23) C34(8,23) C35(9,23) C36(10,23) C37(11,23) C38(12,23) C39(13,23) C40(14,23) C41(15,23) C42(16,23) C43(17,23) C44(18,23) C45(19,23) C46(20,23) C47(21,23) C48(22,23) C49(23,23) C50(24,23) D1(-25,22) D2(-24,22) D3(-23,22) D4(-22,22) D5(-21,22) D6(-20,22) D7(-19,22) D8(-18,22) D9(-17,22) D10(-16,22) D11(-15,22) D12(-14,22) D13(-13,22) D14(-12,22) D15(-11,22) D16(-10,22) D17(-9,22) D18(-8,22) D19(-7,22) D20(-6,22) D21(-5,22) D22(-4,22) D23(-3,22) D24(-2,22) D25(-1,22) D26(0,22) D27(1,22) D28(2,22) D29(3,22) D30(4,22) D31(5,22) D32(6,22) D33(7,22) D34(8,22) D35(9,22) D36(10,22) D37(11,22) D38(12,22) D39(13,22) D40(14,22) D41(15,22) D42(16,22) D43(17,22) D44(18,22) D45(19,22) D46(20,22) D47(21,22) D48(22,22) D49(23,22) D50(24,22) D51(25,22) E1(-25,21) E2(-24,21) E3(-23,21) E4(-22,21) E5(-21,21) E6(-20,21) E7(-19,21) E8(-18,21) E9(-17,21) E10(-16,21) E11(-15,21) E12(-14,21) E13(-13,21) E14(-12,21) E15(-11,21) E16(-10,21) E17(-9,21) E18(-8,21) E19(-7,21) E20(-6,21) E21(-5,21) E22(-4,21) E23(-3,21) E24(-2,21) E25(-1,21) E26(0,21) E27(1,21) E28(2,21) E29(3,21) E30(4,21) E31(5,21) E32(6,21) E33(7,21) E34(8,21) E35(9,21) E36(10,21) E37(11,21) E38(12,21) E39(13,21) E40(14,21) E41(15,21) E42(16,21) E43(17,21) E44(18,21) E45(19,21) E46(20,21) E47(21,21) E48(22,21) E49(23,21) E50(24,21) E51(25,21) F1(-25,20) F2(-24,20) F3(-23,20) F4(-22,20) F5(-21,20) F6(-20,20) F7(-19,20) F8(-18,20) F9(-17,20) F10(-16,20) F11(-15,20) F12(-14,20) F13(-13,20) F14(-12,20) F15(-11,20) F16(-10,20) F17(-9,20) F18(-8,20) F19(-7,20) F20(-6,20) F21(-5,20) F22(-4,20) F23(-3,20) F24(-2,20) F25(-1,20) F26(0,20) F27(1,20) F28(2,20) F29(3,20) F30(4,20) F31(5,20) F32(6,20) F33(7,20) F34(8,20) F35(9,20) F36(10,20) F37(11,20) F38(12,20) F39(13,20) F40(14,20) F41(15,20) F42(16,20) F43(17,20) F44(18,20) F45(19,20) F46(20,20) F47(21,20) F48(22,20) F49(23,20) F50(24,20) F51(25,20) G1(-25,19) G2(-24,19) G3(-23,19) G4(-22,19) G5(-21,19) G6(-20,19) G7(-19,19) G8(-18,19) G9(-17,19) G10(-16,19) G11(-15,19) G12(-14,19) G13(-13,19) G14(-12,19) G15(-11,19) G16(-10,19) G17(-9,19) G18(-8,19) G19(-7,19) G20(-6,19) G21(-5,19) G22(-4,19) G23(-3,19) G24(-2,19) G25(-1,19) G26(0,19) G27(1,19) G28(2,19) G29(3,19) G30(4,19) G31(5,19) G32(6,19) G33(7,19) G34(8,19) G35(9,19) G36(10,19) G37(11,19) G38(12,19) G39(13,19) G40(14,19) G41(15,19) G42(16,19) G43(17,19) G44(18,19) G45(19,19) G46(20,19) G47(21,19) G48(22,19) G49(23,19) G50(24,19) G51(25,19) H1(-25,18) H2(-24,18) H3(-23,18) H4(-22,18) H5(-21,18) H6(-20,18) H7(-19,18) H8(-18,18) H9(-17,18) H10(-16,18) H11(-15,18) H12(-14,18) H13(-13,18) H14(-12,18) H15(-11,18) H16(-10,18) H17(-9,18) H18(-8,18) H19(-7,18) H20(-6,18) H21(-5,18) H22(-4,18) H23(-3,18) H24(-2,18) H25(-1,18) H26(0,18) H27(1,18) H28(2,18) H29(3,18) H30(4,18) H31(5,18) H32(6,18) H33(7,18) H34(8,18) H35(9,18) H36(10,18) H37(11,18) H38(12,18) H39(13,18) H40(14,18) H41(15,18) H42(16,18) H43(17,18) H44(18,18) H45(19,18) H46(20,18) H47(21,18) H48(22,18) H49(23,18) H50(24,18) H51(25,18) J1(-25,17) J2(-24,17) J3(-23,17) J4(-22,17) J5(-21,17) J6(-20,17) J7(-19,17) J8(-18,17) J9(-17,17) J10(-16,17) J11(-15,17) J12(-14,17) J13(-13,17) J14(-12,17) J15(-11,17) J16(-10,17) J17(-9,17) J18(-8,17) J19(-7,17) J20(-6,17) J21(-5,17) J22(-4,17) J23(-3,17) J24(-2,17) J25(-1,17) J26(0,17) J27(1,17) J28(2,17) J29(3,17) J30(4,17) J31(5,17) J32(6,17) J33(7,17) J34(8,17) J35(9,17) J36(10,17) J37(11,17) J38(12,17) J39(13,17) J40(14,17) J41(15,17) J42(16,17) J43(17,17) J44(18,17) J45(19,17) J46(20,17) J47(21,17) J48(22,17) J49(23,17) J50(24,17) J51(25,17) K1(-25,16) K2(-24,16) K3(-23,16) K4(-22,16) K5(-21,16) K6(-20,16) K7(-19,16) K8(-18,16) K9(-17,16) K10(-16,16) K11(-15,16) K12(-14,16) K13(-13,16) K14(-12,16) K15(-11,16) K16(-10,16) K17(-9,16) K18(-8,16) K19(-7,16) K20(-6,16) K21(-5,16) K22(-4,16) K23(-3,16) K24(-2,16) K25(-1,16) K26(0,16) K27(1,16) K28(2,16) K29(3,16) K30(4,16) K31(5,16) K32(6,16) K33(7,16) K34(8,16) K35(9,16) K36(10,16) K37(11,16) K38(12,16) K39(13,16) K40(14,16) K41(15,16) K42(16,16) K43(17,16) K44(18,16) K45(19,16) K46(20,16) K47(21,16) K48(22,16) K49(23,16) K50(24,16) K51(25,16) L1(-25,15) L2(-24,15) L3(-23,15) L4(-22,15) L5(-21,15) L6(-20,15) L7(-19,15) L8(-18,15) L9(-17,15) L10(-16,15) L11(-15,15) L12(-14,15) L13(-13,15) L14(-12,15) L15(-11,15) L16(-10,15) L17(-9,15) L18(-8,15) L19(-7,15) L20(-6,15) L21(-5,15) L22(-4,15) L23(-3,15) L24(-2,15) L25(-1,15) L26(0,15) L27(1,15) L28(2,15) L29(3,15) L30(4,15) L31(5,15) L32(6,15) L33(7,15) L34(8,15) L35(9,15) L36(10,15) L37(11,15) L38(12,15) L39(13,15) L40(14,15) L41(15,15) L42(16,15) L43(17,15) L44(18,15) L45(19,15) L46(20,15) L47(21,15) L48(22,15) L49(23,15) L50(24,15) L51(25,15) M1(-25,14) M2(-24,14) M3(-23,14) M4(-22,14) M5(-21,14) M6(-20,14) M7(-19,14) M8(-18,14) M9(-17,14) M10(-16,14) M11(-15,14) M12(-14,14) M13(-13,14) M14(-12,14) M15(-11,14) M16(-10,14) M17(-9,14) M18(-8,14) M19(-7,14) M20(-6,14) M21(-5,14) M22(-4,14) M23(-3,14) M24(-2,14) M25(-1,14) M26(0,14) M27(1,14) M28(2,14) M29(3,14) M30(4,14) M31(5,14) M32(6,14) M33(7,14) M34(8,14) M35(9,14) M36(10,14) M37(11,14) M38(12,14) M39(13,14) M40(14,14) M41(15,14) M42(16,14) M43(17,14) M44(18,14) M45(19,14) M46(20,14) M47(21,14) M48(22,14) M49(23,14) M50(24,14) M51(25,14) N1(-25,13) N2(-24,13) N3(-23,13) N4(-22,13) N5(-21,13) N6(-20,13) N7(-19,13) N8(-18,13) N9(-17,13) N10(-16,13) N11(-15,13) N12(-14,13) N13(-13,13) N14(-12,13) N15(-11,13) N16(-10,13) N17(-9,13) N18(-8,13) N19(-7,13) N20(-6,13) N21(-5,13) N22(-4,13) N23(-3,13) N24(-2,13) N25(-1,13) N26(0,13) N27(1,13) N28(2,13) N29(3,13) N30(4,13) N31(5,13) N32(6,13) N33(7,13) N34(8,13) N35(9,13) N36(10,13) N37(11,13) N38(12,13) N39(13,13) N40(14,13) N41(15,13) N42(16,13) N43(17,13) N44(18,13) N45(19,13) N46(20,13) N47(21,13) N48(22,13) N49(23,13) N50(24,13) N51(25,13) P1(-25,12) P2(-24,12) P3(-23,12) P4(-22,12) P5(-21,12) P6(-20,12) P7(-19,12) P8(-18,12) P9(-17,12) P10(-16,12) P11(-15,12) P12(-14,12) P13(-13,12) P14(-12,12) P15(-11,12) P16(-10,12) P17(-9,12) P18(-8,12) P19(-7,12) P20(-6,12) P21(-5,12) P22(-4,12) P23(-3,12) P24(-2,12) P25(-1,12) P26(0,12) P27(1,12) P28(2,12) P29(3,12) P30(4,12) P31(5,12) P32(6,12) P33(7,12) P34(8,12) P35(9,12) P36(10,12) P37(11,12) P38(12,12) P39(13,12) P40(14,12) P41(15,12) P42(16,12) P43(17,12) P44(18,12) P45(19,12) P46(20,12) P47(21,12) P48(22,12) P49(23,12) P50(24,12) P51(25,12) R1(-25,11) R2(-24,11) R3(-23,11) R4(-22,11) R5(-21,11) R6(-20,11) R7(-19,11) R8(-18,11) R9(-17,11) R10(-16,11) R11(-15,11) R12(-14,11) R13(-13,11) R14(-12,11) R15(-11,11) R16(-10,11) R17(-9,11) R18(-8,11) R19(-7,11) R20(-6,11) R21(-5,11) R22(-4,11) R23(-3,11) R24(-2,11) R25(-1,11) R26(0,11) R27(1,11) R28(2,11) R29(3,11) R30(4,11) R31(5,11) R32(6,11) R33(7,11) R34(8,11) R35(9,11) R36(10,11) R37(11,11) R38(12,11) R39(13,11) R40(14,11) R41(15,11) R42(16,11) R43(17,11) R44(18,11) R45(19,11) R46(20,11) R47(21,11) R48(22,11) R49(23,11) R50(24,11) R51(25,11) T1(-25,10) T2(-24,10) T3(-23,10) T4(-22,10) T5(-21,10) T6(-20,10) T7(-19,10) T8(-18,10) T9(-17,10) T10(-16,10) T11(-15,10) T12(-14,10) T13(-13,10) T14(-12,10) T15(-11,10) T16(-10,10) T17(-9,10) T18(-8,10) T19(-7,10) T20(-6,10) T21(-5,10) T22(-4,10) T23(-3,10) T24(-2,10) T25(-1,10) T26(0,10) T27(1,10) T28(2,10) T29(3,10) T30(4,10) T31(5,10) T32(6,10) T33(7,10) T34(8,10) T35(9,10) T36(10,10) T37(11,10) T38(12,10) T39(13,10) T40(14,10) T41(15,10) T42(16,10) T43(17,10) T44(18,10) T45(19,10) T46(20,10) T47(21,10) T48(22,10) T49(23,10) T50(24,10) T51(25,10) U1(-25,9) U2(-24,9) U3(-23,9) U4(-22,9) U5(-21,9) U6(-20,9) U7(-19,9) U8(-18,9) U9(-17,9) U10(-16,9) U11(-15,9) U12(-14,9) U13(-13,9) U14(-12,9) U15(-11,9) U16(-10,9) U17(-9,9) U18(-8,9) U19(-7,9) U20(-6,9) U21(-5,9) U22(-4,9) U23(-3,9) U24(-2,9) U25(-1,9) U26(0,9) U27(1,9) U28(2,9) U29(3,9) U30(4,9) U31(5,9) U32(6,9) U33(7,9) U34(8,9) U35(9,9) U36(10,9) U37(11,9) U38(12,9) U39(13,9) U40(14,9) U41(15,9) U42(16,9) U43(17,9) U44(18,9) U45(19,9) U46(20,9) U47(21,9) U48(22,9) U49(23,9) U50(24,9) U51(25,9) V1(-25,8) V2(-24,8) V3(-23,8) V4(-22,8) V5(-21,8) V6(-20,8) V7(-19,8) V8(-18,8) V9(-17,8) V10(-16,8) V11(-15,8) V12(-14,8) V13(-13,8) V14(-12,8) V15(-11,8) V16(-10,8) V17(-9,8) V18(-8,8) V19(-7,8) V20(-6,8) V21(-5,8) V22(-4,8) V23(-3,8) V24(-2,8) V25(-1,8) V26(0,8) V27(1,8) V28(2,8) V29(3,8) V30(4,8) V31(5,8) V32(6,8) V33(7,8) V34(8,8) V35(9,8) V36(10,8) V37(11,8) V38(12,8) V39(13,8) V40(14,8) V41(15,8) V42(16,8) V43(17,8) V44(18,8) V45(19,8) V46(20,8) V47(21,8) V48(22,8) V49(23,8) V50(24,8) V51(25,8) W1(-25,7) W2(-24,7) W3(-23,7) W4(-22,7) W5(-21,7) W6(-20,7) W7(-19,7) W8(-18,7) W9(-17,7) W10(-16,7) W11(-15,7) W12(-14,7) W13(-13,7) W14(-12,7) W15(-11,7) W16(-10,7) W17(-9,7) W18(-8,7) W19(-7,7) W20(-6,7) W21(-5,7) W22(-4,7) W23(-3,7) W24(-2,7) W25(-1,7) W26(0,7) W27(1,7) W28(2,7) W29(3,7) W30(4,7) W31(5,7) W32(6,7) W33(7,7) W34(8,7) W35(9,7) W36(10,7) W37(11,7) W38(12,7) W39(13,7) W40(14,7) W41(15,7) W42(16,7) W43(17,7) W44(18,7) W45(19,7) W46(20,7) W47(21,7) W48(22,7) W49(23,7) W50(24,7) W51(25,7) Y1(-25,6) Y2(-24,6) Y3(-23,6) Y4(-22,6) Y5(-21,6) Y6(-20,6) Y7(-19,6) Y8(-18,6) Y9(-17,6) Y10(-16,6) Y11(-15,6) Y12(-14,6) Y13(-13,6) Y14(-12,6) Y15(-11,6) Y16(-10,6) Y17(-9,6) Y18(-8,6) Y19(-7,6) Y20(-6,6) Y21(-5,6) Y22(-4,6) Y23(-3,6) Y24(-2,6) Y25(-1,6) Y26(0,6) Y27(1,6) Y28(2,6) Y29(3,6) Y30(4,6) Y31(5,6) Y32(6,6) Y33(7,6) Y34(8,6) Y35(9,6) Y36(10,6) Y37(11,6) Y38(12,6) Y39(13,6) Y40(14,6) Y41(15,6) Y42(16,6) Y43(17,6) Y44(18,6) Y45(19,6) Y46(20,6) Y47(21,6) Y48(22,6) Y49(23,6) Y50(24,6) Y51(25,6)
